# KiCad board main-board-rev1.kicad_pcb
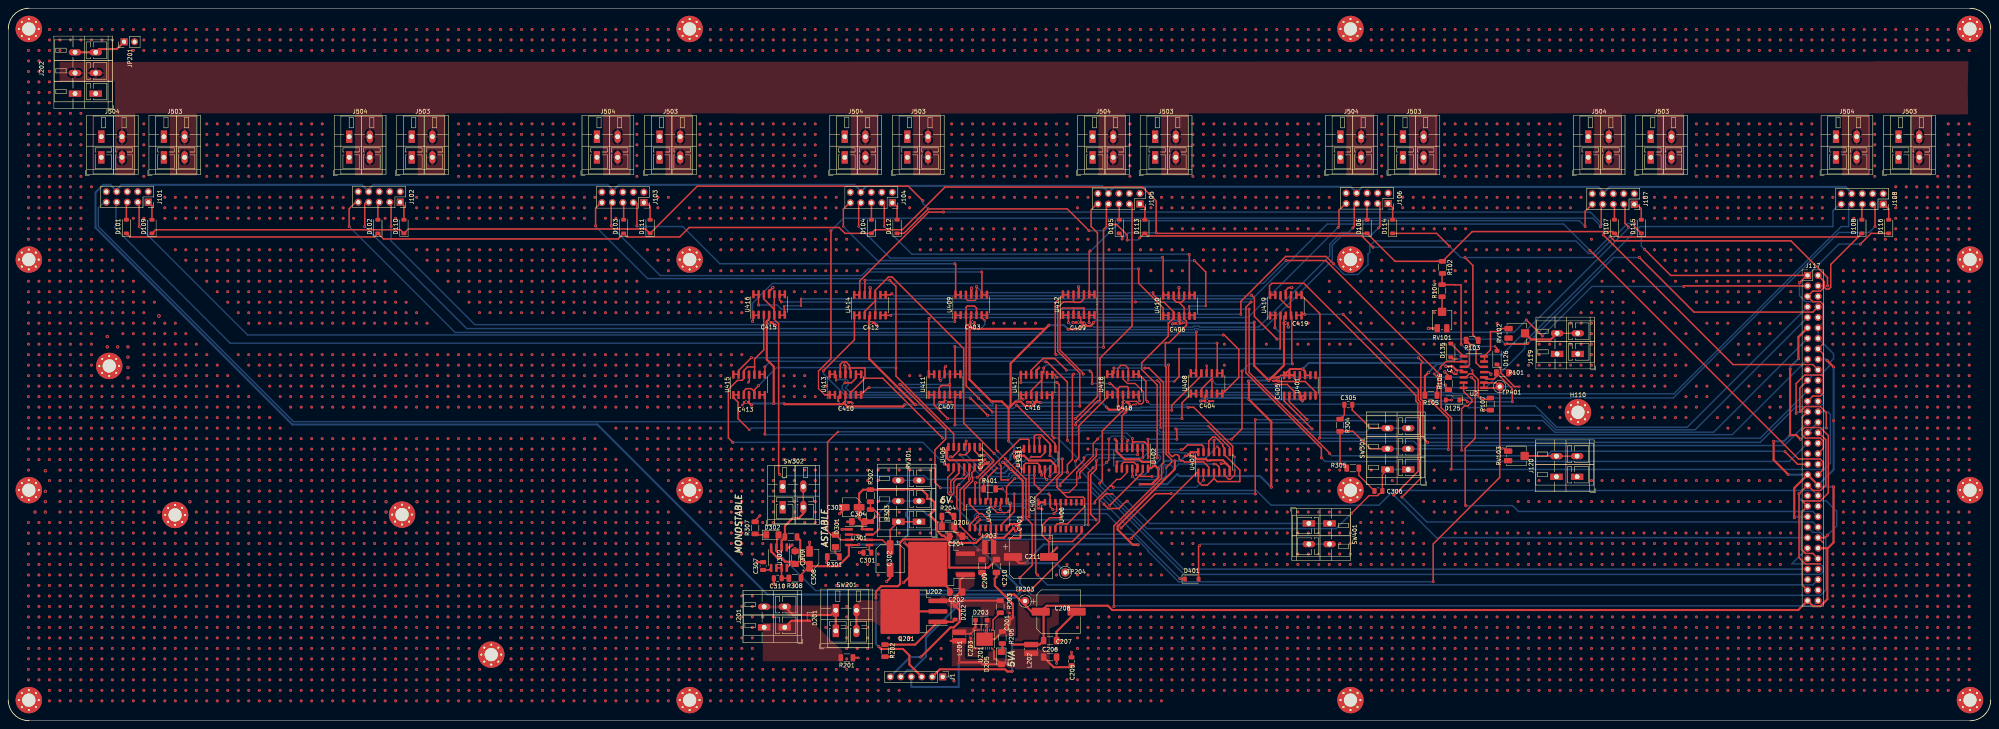
[diagram p0: board, top side]
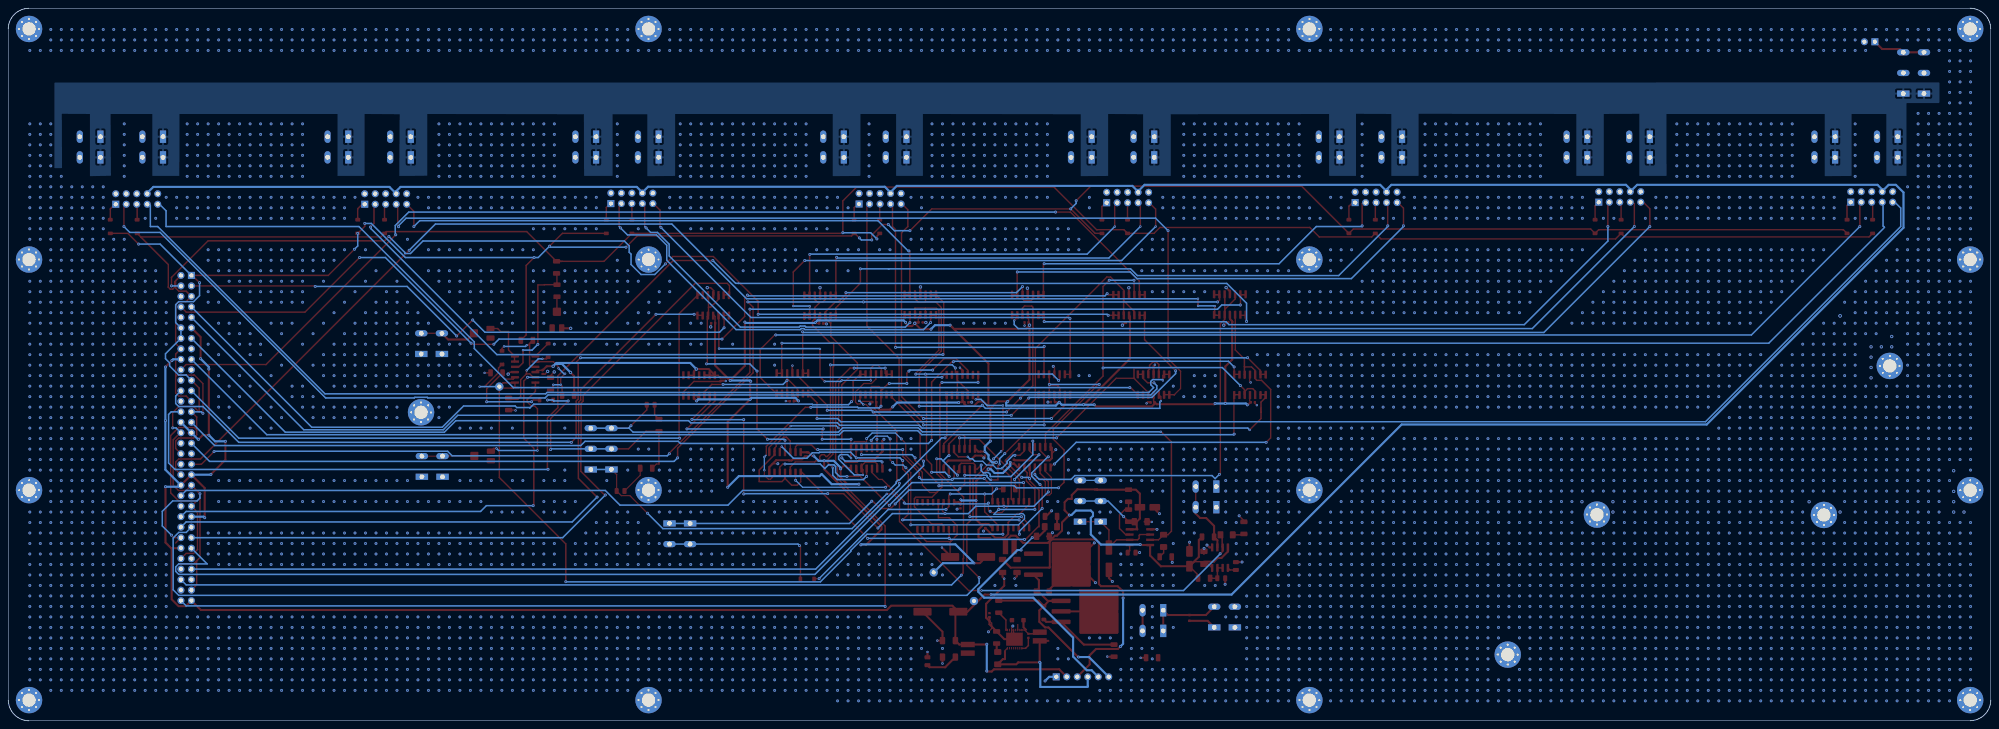
[diagram p1: board, bottom side, seen from below]

Outline 480.01 x 172.51 mm; copper layers: Top, In1.Cu (plane), In2.Cu (plane), Bottom. Coordinates in mm from the lower left corner of the outline.
Outline path: 0,5.02 0.02,167.48 arc(1.48,171.03) 5.02,172.51 474.98,172.49 arc(478.53,171.03) 480.01,167.49 479.99,5.02 arc(478.53,1.48) 474.99,0 5.02,0.02 arc(1.48,1.48) 0,5.02
Stack: Top 0.035mm / dielectric 0.2104mm FR4 er 4.5 / In1.Cu 0.0152mm / dielectric 1.065mm FR4 er 4.5 / In2.Cu 0.0152mm / dielectric 0.2104mm FR4 er 4.5 / Bottom 0.035mm

## Placement (name value [footprint] x y rotation side)
C1  0.1uF  [C_0402_1005Metric]  350.58 84.45 90 top
C201  15uF - 50V  [C_0402_1005Metric]  242.44 25.57 270 top
C202  0.33uF  [C_1206_3216Metric_Pad1.33x1.80mm_HandSolder]  229.51 31.15 180 top
C203  10nF  [C_0402_1005Metric]  233.01 20.57 90 top
C204  0.1uF  [C_1206_3216Metric_Pad1.33x1.80mm_HandSolder]  229.46 44.65 180 top
C205  68uF-16V  [C_0805_2012Metric]  257.44 14.4 90 top
C206  0.1uF  [C_1206_3216Metric_Pad1.33x1.80mm_HandSolder]  252.25 15.4 0 top
C207  0.1uF  [C_1206_3216Metric_Pad1.33x1.80mm_HandSolder]  252.25 19.4 0 top
C208  C_Polarized  [CP_Elec_10x12.6]  254.31 26.4 0 top
C209  0.1uF  [C_1206_3216Metric_Pad1.33x1.80mm_HandSolder]  235.76 37.47 270 top
C210  0.1uF  [C_1206_3216Metric_Pad1.33x1.80mm_HandSolder]  239.26 37.47 270 top
C211  C_Polarized  [CP_Elec_10x12.6]  247.61 39.65 0 top
C301  0.1uF  [C_0805_2012Metric]  208.01 40.69 0 top
C302  C_Polarized 100uF  [CP_Elec_6.3x7.7]  213.51 39.24 270 top
C303  C_Polarized-1uF  [CP_Elec_4x4.5]  204.21 51.69 180 top
C304  0.1uF  [C_1206_3216Metric_Pad1.33x1.80mm_HandSolder]  205.81 48.19 0 top
C305  0.1uF  [C_0805_2012Metric]  324.46 76.5 0 top
C306  0.1uF  [C_0805_2012Metric]  331.75 55.62 0 top
C307  0.1uF  [C_0805_2012Metric]  182.76 37.45 270 top
C308  C_Polarized-1uF  [CP_Elec_4x4.5]  194.01 39.2 90 top
C309  0.1uF  [C_1206_3216Metric_Pad1.33x1.80mm_HandSolder]  190.51 39.45 270 top
C310  2uF  [C_0805_2012Metric]  186.31 34.5 180 top
C401  0.1uF  [C_0402_1005Metric]  243.44 47.15 90 top
C402  0.1uF  [C_0402_1005Metric]  249.44 51.9 90 top
C403  0.1uF  [C_0402_1005Metric]  233.47 96.45 180 top
C404  0.1uF  [C_0402_1005Metric]  290.29 77.35 180 top
C405  0.1uF  [C_0402_1005Metric]  307.54 82.68 270 top
C406  0.1uF  [C_0402_1005Metric]  283.21 96.2 0 top
C407  0.1uF  [C_0402_1005Metric]  227.07 77.15 180 top
C408  0.1uF  [C_0402_1005Metric]  277.29 62.15 90 top
C409  0.1uF  [C_0402_1005Metric]  259.09 96.45 0 top
C410  0.1uF  [C_0402_1005Metric]  202.96 77.03 180 top
C411  0.1uF  [C_0402_1005Metric]  243.54 64.65 270 top
C412  0.1uF  [C_0402_1005Metric]  208.87 96.35 180 top
C413  0.1uF  [C_0402_1005Metric]  178.66 77.1 0 top
C414  0.1uF  [C_0402_1005Metric]  236.54 62.72 90 top
C415  0.1uF  [C_0402_1005Metric]  184.12 96.45 180 top
C416  0.1uF  [C_0402_1005Metric]  248.06 77.05 0 top
C417  0.1uF  [C_0402_1005Metric]  286.58 64.51 270 top
C418  0.1uF  [C_0402_1005Metric]  270.32 77.15 180 top
C419  0.1uF  [C_0402_1005Metric]  309.32 96.25 180 top
D101  D  [D_SOD-123]  28.6 119.65 90 top
D102  D  [D_SOD-123]  89.5 119.65 90 top
D103  D  [D_SOD-123]  149 119.65 90 top
D104  D  [D_SOD-123]  209 119.65 90 top
D105  D  [D_SOD-123]  269 119.65 90 top
D106  D  [D_SOD-123]  329 119.65 90 top
D107  D  [D_SOD-123]  388.9 119.65 90 top
D108  D  [D_SOD-123]  448.8 119.65 90 top
D109  D  [D_SOD-123]  34.8 119.65 90 top
D110  D  [D_SOD-123]  95.8 119.65 90 top
D111  D  [D_SOD-123]  155.4 119.65 90 top
D112  D  [D_SOD-123]  215.2 119.65 90 top
D113  D  [D_SOD-123]  275.2 119.65 90 top
D114  D  [D_SOD-123]  335.2 119.65 90 top
D115  D  [D_SOD-123]  395.4 119.65 90 top
D116  D  [D_SOD-123]  455.3 119.65 90 top
D125  D  [D_SOD-123]  349.71 77.65 180 top
D126  D  [D_SOD-123]  360.46 87.9 90 top
D135  D  [D_SOD-123]  349.28 89.68 90 top
D201  ESD5Zxx  [D_SOD-523]  194.01 24.89 270 top
D202  D_Zener-10V  [D_SOD-123]  229.26 26.15 270 top
D203  D_Schottky B230A  [D_SOD-123F]  235.59 24.34 0 top
D204  LED  [LED_1206_3216Metric_Pad1.42x1.75mm_HandSolder]  227.56 46.98 0 top
D205  LED  [LED_1206_3216Metric_Pad1.42x1.75mm_HandSolder]  240.44 15.15 270 top
D301  LED  [LED_1206_3216Metric_Pad1.42x1.75mm_HandSolder]  200.28 43.55 90 top
D302  LED  [LED_1206_3216Metric_Pad1.42x1.75mm_HandSolder]  185.01 45 0 top
D401  D  [D_SOD-123]  286.55 34.3 0 top
H102  MountingHole  [MountingHole_3.2mm_M3_Pad_Via]  40.39 49.83 0 top
H108  MountingHole  [MountingHole_3.2mm_M3_Pad_Via]  4.98 167.49 0 top
H108#2  MountingHole  [MountingHole_3.2mm_M3_Pad_Via]  324.98 167.49 0 top
H108#3  MountingHole  [MountingHole_3.2mm_M3_Pad_Via]  164.98 167.49 0 top
H108#4  MountingHole  [MountingHole_3.2mm_M3_Pad_Via]  324.98 111.66 0 top
H108#5  MountingHole  [MountingHole_3.2mm_M3_Pad_Via]  164.98 4.99 0 top
H108#6  MountingHole  [MountingHole_3.2mm_M3_Pad_Via]  324.98 55.83 0 top
H108#7  MountingHole  [MountingHole_3.2mm_M3_Pad_Via]  324.98 4.99 0 top
H108#8  MountingHole  [MountingHole_3.2mm_M3_Pad_Via]  474.98 4.99 0 top
H108#9  MountingHole  [MountingHole_3.2mm_M3_Pad_Via]  4.98 111.66 0 top
H108#10  MountingHole  [MountingHole_3.2mm_M3_Pad_Via]  164.98 55.83 0 top
H108#11  MountingHole  [MountingHole_3.2mm_M3_Pad_Via]  4.98 4.99 0 top
H108#12  MountingHole  [MountingHole_3.2mm_M3_Pad_Via]  474.98 55.83 0 top
H108#13  MountingHole  [MountingHole_3.2mm_M3_Pad_Via]  4.98 55.83 0 top
H108#14  MountingHole  [MountingHole_3.2mm_M3_Pad_Via]  474.98 167.49 0 top
H108#15  MountingHole  [MountingHole_3.2mm_M3_Pad_Via]  474.98 111.66 0 top
H108#16  MountingHole  [MountingHole_3.2mm_M3_Pad_Via]  164.98 111.66 0 top
H110  MountingHole  [MountingHole_3.2mm_M3_Pad_Via]  380.06 74.68 0 top
H405  MountingHole  [MountingHole_3.2mm_M3_Pad_Via]  116.95 16 0 top
H407  MountingHole  [MountingHole_3.2mm_M3_Pad_Via]  24.45 85.9 0 top
H408  MountingHole  [MountingHole_3.2mm_M3_Pad_Via]  95.35 49.9 0 top
J1  Conn_01x06_Pin  [PinHeader_1x06_P2.54mm_Vertical]  226.26 10.63 270 top
J101  Conn_01x10  [PinSocket_2x05_P2.54mm_Vertical]  33.9 125.55 270 top
J102  Conn_01x10  [PinSocket_2x05_P2.54mm_Vertical]  94.9 125.55 270 top
J103  Conn_01x10  [PinSocket_2x05_P2.54mm_Vertical]  153.9 125.45 270 top
J104  Conn_01x10  [PinSocket_2x05_P2.54mm_Vertical]  214.06 125.41 270 top
J105  Conn_01x10  [PinSocket_2x05_P2.54mm_Vertical]  274 125.11 270 top
J106  Conn_01x10  [PinSocket_2x05_P2.54mm_Vertical]  334.1 125.21 270 top
J107  Conn_01x10  [PinSocket_2x05_P2.54mm_Vertical]  393.7 125.05 270 top
J108  Conn_01x10  [PinSocket_2x05_P2.54mm_Vertical]  453.98 125.05 270 top
J117  Conn_02x32_Odd_Even  [PinHeader_2x32_P2.54mm_Vertical]  435.66 107.82 0 top
J119  AudioJack2  [TerminalBlock_WAGO_236-402_1x02_P5.00mm_45Degree]  375.01 88.8 90 top
J120  AudioJack2  [TerminalBlock_WAGO_236-402_1x02_P5.00mm_45Degree]  374.86 59.07 90 top
J201  Screw_Terminal_01x02  [TerminalBlock_WAGO_236-402_1x02_P5.00mm_45Degree]  183.01 22.6 90 top
J202  Screw_Terminal_01x03  [TerminalBlock_WAGO_236-403_1x03_P5.00mm_45Degree]  16.17 151.84 90 top
J503  Screw_Terminal_01x02  [TerminalBlock_WAGO_236-402_1x02_P5.00mm_45Degree]  277.69 141.4 0 top
J503#2  Screw_Terminal_01x02  [TerminalBlock_WAGO_236-402_1x02_P5.00mm_45Degree]  337.69 141.4 0 top
J503#3  Screw_Terminal_01x02  [TerminalBlock_WAGO_236-402_1x02_P5.00mm_45Degree]  457.69 141.4 0 top
J503#4  Screw_Terminal_01x02  [TerminalBlock_WAGO_236-402_1x02_P5.00mm_45Degree]  397.69 141.4 0 top
J503#5  Screw_Terminal_01x02  [TerminalBlock_WAGO_236-402_1x02_P5.00mm_45Degree]  37.69 141.4 0 top
J503#6  Screw_Terminal_01x02  [TerminalBlock_WAGO_236-402_1x02_P5.00mm_45Degree]  97.69 141.4 0 top
J503#7  Screw_Terminal_01x02  [TerminalBlock_WAGO_236-402_1x02_P5.00mm_45Degree]  217.69 141.4 0 top
J503#8  Screw_Terminal_01x02  [TerminalBlock_WAGO_236-402_1x02_P5.00mm_45Degree]  157.69 141.4 0 top
J504  Screw_Terminal_01x02  [TerminalBlock_WAGO_236-402_1x02_P5.00mm_45Degree]  442.54 141.4 0 top
J504#2  Screw_Terminal_01x02  [TerminalBlock_WAGO_236-402_1x02_P5.00mm_45Degree]  202.54 141.4 0 top
J504#3  Screw_Terminal_01x02  [TerminalBlock_WAGO_236-402_1x02_P5.00mm_45Degree]  322.54 141.4 0 top
J504#4  Screw_Terminal_01x02  [TerminalBlock_WAGO_236-402_1x02_P5.00mm_45Degree]  82.54 141.4 0 top
J504#5  Screw_Terminal_01x02  [TerminalBlock_WAGO_236-402_1x02_P5.00mm_45Degree]  22.54 141.4 0 top
J504#6  Screw_Terminal_01x02  [TerminalBlock_WAGO_236-402_1x02_P5.00mm_45Degree]  142.54 141.4 0 top
J504#7  Screw_Terminal_01x02  [TerminalBlock_WAGO_236-402_1x02_P5.00mm_45Degree]  262.54 141.4 0 top
J504#8  Screw_Terminal_01x02  [TerminalBlock_WAGO_236-402_1x02_P5.00mm_45Degree]  382.54 141.4 0 top
JP201  Jumper_2_Open  [PinHeader_1x02_P2.54mm_Vertical]  28.05 164.39 90 top
L201  4.7uH  [L_Wuerth_MAPI-3015]  230.26 20.39 270 top
L202  L  [L_Wuerth_MAPI-3015]  247.69 17.4 90 top
L203  L  [L_Wuerth_MAPI-3015]  237.51 42.03 0 top
Q201  IRF5305-Reverse-Polarity  [TO-263-3_TabPin2]  217.44 26.48 180 top
R101  R_US  [R_1206_3216Metric]  361.78 84.23 180 top
R102  1000K  [R_1206_3216Metric]  347.26 109.77 270 top
R103  R_US  [R_1206_3216Metric]  354.45 92.1 180 top
R104  0R  [R_1206_3216Metric]  347.16 104.12 90 top
R105  R_US  [R_1206_3216Metric]  344.46 78.8 180 top
R106  R_US  [R_1206_3216Metric]  348.71 81.62 270 top
R107  R_US  [R_1206_3216Metric]  358.86 76.68 90 top
R201  0  [R_1206_3216Metric]  203.05 15.25 180 top
R202  100K  [R_1206_3216Metric]  212.26 16.97 270 top
R203  R_US  [R_1206_3216Metric]  240.19 27.62 90 top
R204  R_US  [R_1206_3216Metric]  227.53 49.48 180 top
R205  R_US  [R_1206_3216Metric]  240.69 20.15 270 top
R301  R_US  [R_1206_3216Metric]  199.76 39.69 0 top
R302  R_US  [R_1206_3216Metric]  208.76 54.48 90 top
R303  R_US  [R_1206_3216Metric]  208.76 49.65 90 top
R304  R_US  [R_1206_3216Metric]  322.46 71.55 270 top
R305  R_US  [R_1206_3216Metric]  325.54 61.16 180 top
R306  R_US  [R_1206_3216Metric]  189.51 44.5 0 top
R307  R_US  [R_1206_3216Metric]  180.83 46.7 270 top
R308  R_US  [R_1206_3216Metric]  190.48 34.5 0 top
R401  R_US  [R_1206_3216Metric]  237.63 56.14 180 top
RV101  R_Potentiometer_US  [Potentiometer_Bourns_3314J_Vertical]  347.16 97.02 180 top
RV102  R_Potentiometer_US  [Potentiometer_Bourns_3314J_Vertical]  365.26 93.8 90 top
RV103  R_Potentiometer_US  [Potentiometer_Bourns_3314J_Vertical]  365.16 64.12 90 top
RV301  R_Potentiometer_US  [TerminalBlock_WAGO_236-403_1x03_P5.00mm_45Degree]  215.51 48.19 90 top
SW201  SW_SPST  [TerminalBlock_WAGO_236-402_1x02_P5.00mm_45Degree]  200.36 26.75 0 top
SW301  SW_SPDT  [TerminalBlock_WAGO_236-403_1x03_P5.00mm_45Degree]  333.96 60.83 90 top
SW302  SW_Push  [TerminalBlock_WAGO_236-402_1x02_P5.00mm_45Degree]  187.5 56.7 0 top
SW401  SW_SPST  [TerminalBlock_WAGO_236-402_1x02_P5.00mm_45Degree]  319.91 47.77 270 top
TP203  TestPoint  [TestPoint_Loop_D1.80mm_Drill1.0mm_Beaded]  246.19 28.98 0 top
TP204  TestPoint  [TestPoint_Loop_D1.80mm_Drill1.0mm_Beaded]  255.94 35.9 0 top
TP401  TestPoint  [TestPoint_Loop_D1.80mm_Drill1.0mm_Beaded]  361.11 80.9 0 top
U2  TL074  [SOIC-14_3.9x8.7mm_P1.27mm]  354.85 84.42 180 top
U201  LM2675-5-WSON-16  [WSON-16-1EP_5.0x5.0mm_P0.5mm_EP2.6x2.6mm]  236.09 19.75 90 top
U202  L7806  [TO-263-2]  224.14 37.9 180 top
U301  LMC555xM  [SOIC-8_3.9x4.9mm_P1.27mm]  206.01 44.44 0 top
U302  LMC555xM  [SOIC-8_3.9x4.9mm_P1.27mm]  186.61 39.48 270 top
U401  SN74HC08  [SOIC-14_3.9x8.7mm_P1.27mm]  312.73 81.18 90 top
U402  SN74HC08  [SOIC-14_3.9x8.7mm_P1.27mm]  272.15 63.53 270 top
U403  SN74HC08  [SOIC-14_3.9x8.7mm_P1.27mm]  249.74 63.35 90 top
U404  4017  [SOP-16_4.55x10.3mm_P1.27mm]  237.26 49.9 270 top
U405  SN74HC08  [SOIC-14_3.9x8.7mm_P1.27mm]  231.45 63.83 270 top
U406  4017  [SOP-16_4.55x10.3mm_P1.27mm]  255.44 49.65 90 top
U407  SN74HC08  [SOIC-14_3.9x8.7mm_P1.27mm]  291.94 62.55 90 top
U408  TL074  [SOIC-14_3.9x8.7mm_P1.27mm]  290.14 81.68 90 top
U409  TL074  [SOIC-14_3.9x8.7mm_P1.27mm]  233.15 100.68 90 top
U410  TL074  [SOIC-14_3.9x8.7mm_P1.27mm]  283.45 100.48 90 top
U411  TL074  [SOIC-14_3.9x8.7mm_P1.27mm]  226.72 81.4 90 top
U412  TL074  [SOIC-14_3.9x8.7mm_P1.27mm]  259.18 100.73 90 top
U413  TL074  [SOIC-14_3.9x8.7mm_P1.27mm]  202.7 81.38 90 top
U414  TL074  [SOIC-14_3.9x8.7mm_P1.27mm]  208.63 100.63 90 top
U415  TL074  [SOIC-14_3.9x8.7mm_P1.27mm]  179.36 81.33 90 top
U416  TL074  [SOIC-14_3.9x8.7mm_P1.27mm]  184.23 100.78 90 top
U417  TL074  [SOIC-14_3.9x8.7mm_P1.27mm]  248.98 81.28 90 top
U418  TL074  [SOIC-14_3.9x8.7mm_P1.27mm]  269.9 81.43 90 top
U419  TL074  [SOIC-14_3.9x8.7mm_P1.27mm]  309.33 100.58 90 top

## Library data of the parts
C1 C301 C305-C307 C401-C419 = -: Description: Unpolarized capacitor; Digi-Key_PN: 1276-1043-2-ND
C201 = -: Description: Unpolarized capacitor; Digi-Key_PN: 1276-1079-1-ND; Manufacturer_PN: CL31A106KQHNNNE
C202 = -: Description: Unpolarized capacitor; Digi-Key_PN: 338-2775-2-ND
C203 = -: Description: Unpolarized capacitor; Digi-Key_PN: 478-1542-1-ND; Manufacturer_PN: 12065C103KAT2A
C204 C304 C309 = -: Description: Unpolarized capacitor; Digi-Key_PN: 399-3676-2-ND
C205 = -: Description: Unpolarized capacitor; Digi-Key_PN: 1276-2728-1-ND; Manufacturer_PN: CL31A226MOCLNNC
C206 C207 C209 C210 = -: Description: Unpolarized capacitor; Digi-Key_PN: 1276-1017-1-ND; Manufacturer_PN: CL31B104KBCNNNC
C208 C211 = -: Description: Polarized capacitor; Digi-Key_PN: 399-A781MS567M1ELAV022TR-ND
C302 = -: Description: Polarized capacitor; Digi-Key_PN: 399-13672-2-ND
C303 C308 = -: Description: Polarized capacitor; Digi-Key_PN: P16465TR-ND
C310 = -: Description: Unpolarized capacitor; Digi-Key_PN: 1189-4361-2-ND
D101-D116 D125 D126 D135 D401 = -: Description: Diode; Digi-Key_PN: 1655-1N4148WTR-ND; Sim.Pins: 1=K 2=A
D201 = -: Description: ESD Protection Diode, SOD-523; Digi-Key_PN: 3372-ESD5Z7V0TR-ND
D202 = -: Description: Schottky diode; Digi-Key_PN: BZT52C10-TPMSCT-ND; Manufacturer_PN: BZT52C10-TP
D203 = -: Description: Schottky diode; Digi-Key_PN: B230AF-13DICT-ND; Manufacturer_PN: B230AF-13
D204 D205 = -: Description: Light emitting diode; Digi-Key_PN: 160-1406-1-ND; Manufacturer_PN: LTST-C150KSKT
D301 D302 = -: Description: Light emitting diode; Digi-Key_PN: 67-1684-2-ND
H102 H108 H108#2-H108#16 H110 H405 H407 H408 = -: Description: Mounting Hole without connection
J1 = -: Description: Generic connector, single row, 01x06, script generated
J101-J108 = -: Description: Generic connector, single row, 01x10, script generated (kicad-library-utils/schlib/autogen/connector/); Digi-Key_PN: ED1543-ND
J117 = -: Description: Generic connector, double row, 02x32, odd/even pin numbering scheme (row 1 odd numbers, row 2 even numbers), script generated (kicad-library-utils/schlib/autogen/connector/); Digi-Key_PN: SAM9613-ND
J119 J120 = -: Description: Audio Jack, 2 Poles (Mono / TS); Digi-Key_PN: 2946-236-401-ND
J201 = -: Description: Generic screw terminal, single row, 01x02, script generated (kicad-library-utils/schlib/autogen/connector/); Digi-Key_PN: 2946-236-401-ND
J202 = -: Description: Generic screw terminal, single row, 01x03, script generated (kicad-library-utils/schlib/autogen/connector/); Digi-Key_PN: 2946-236-401-ND
J503 J503#2-J503#8 J504 J504#2-J504#8 = -: Description: Generic screw terminal, single row, 01x02, script generated (kicad-library-utils/schlib/autogen/connector/); Channel: 0; Digi-Key_PN: 2946-236-401-ND
JP201 = -: Description: Jumper, 2-pole, open
L201 = -: Description: Inductor; Digi-Key_PN: 445-2026-1-ND; Manufacturer_PN: SLF7045T-4R7M2R0-PF
L202 L203 = -: Description: Inductor; Digi-Key_PN: 308-0640CDMCCDS-R15MCCT-ND; Manufacturer_PN: 0640CDMCCDS-R15MC
Q201 = -: Digi-Key_PN: IRF5305STRLPBFCT-ND; Manufacturer_PN: IRF5305STRLPBF
R101 R103 R105-R107 R203-R205 R301-R308 R401 = -: Description: Resistor, US symbol; Digi-Key_PN: RMCF1206JT2K20TR-ND
R102 = -: Description: Resistor, US symbol; Digi-Key_PN: RMCF1206FT1K00TR-ND
R104 = -: Description: Resistor, US symbol; Digi-Key_PN: RMCF1206ZT0R00TR-ND
R201 = -: Description: Resistor; Digi-Key_PN: RMCF1206ZT0R00CT-ND; Manufacturer_PN: RMCF1206ZT0R00
R202 = -: Description: Resistor; Digi-Key_PN: 311-100KERCT-ND; Manufacturer_PN: RC1206JR-07100KL
RV101-RV103 = -: Description: Potentiometer, US symbol; Digi-Key_PN: 3314J-503ETR-ND
RV301 = -: Description: Potentiometer, US symbol; Digi-Key_PN: 2946-236-401-ND
SW201 SW401 = -: Description: Single Pole Single Throw (SPST) switch; Digi-Key_PN: 2946-236-401-ND
SW301 = -: Description: Switch, single pole double throw; Digi-Key_PN: 2946-236-401-ND
SW302 = -: Description: Push button switch, generic, two pins; Digi-Key_PN: 2946-236-401-ND
TP203 TP204 TP401 = -: Description: test point
U2 U408-U419 = -: Description: Quad Low-Noise JFET-Input Operational Amplifiers, DIP-14/SOIC-14
U201 = -: Description: 5V, 1A Step-Down Voltage Regulator, SO-8
U202 = -: Description: Positive 1.5A 35V Linear Regulator, Fixed Output 6V, TO-220/TO-263/TO-252
U301 U302 = -: Description: CMOS Timer, 555 compatible, SOIC-8
U401-U403 U405 U407 = -: Description: Quad And 2 inputs
U404 U406 = -: Description: Johnson Counter ( 10 outputs )

## Footprints (pads in the part's own frame, mm; a bottom-side part is the same pattern mirrored in y, then rotated)
C_0402_1005Metric
  rrect 0.56x0.62 smd: 1(-0.48,0) 2(0.48,0)
C_0805_2012Metric
  rrect 1x1.45 smd: 1(-0.95,0) 2(0.95,0)
C_1206_3216Metric_Pad1.33x1.80mm_HandSolder
  rrect 1.325x1.8 smd: 1(-1.562,0) 2(1.562,0)
CP_Elec_4x4.5
  rrect 2.6x1.6 smd: 1(-1.8,0) 2(1.8,0)
CP_Elec_6.3x7.7
  rrect 3.5x1.6 smd: 1(-2.7,0) 2(2.7,0)
CP_Elec_10x12.6
  rrect 4.4x1.9 smd: 1(-4.35,0) 2(4.35,0)
D_SOD-123
  rrect 0.9x1.2 smd: 1(-1.65,0) 2(1.65,0)
D_SOD-123F
  rrect 1.1x1.1 smd: 1(-1.4,0) 2(1.4,0)
D_SOD-523
  rrect 0.6x0.7 smd: 1(-0.7,0) 2(0.7,0)
L_Wuerth_MAPI-3015
  rect 1.3x3.4 smd: 1(-1.05,0) 2(1.05,0)
LED_1206_3216Metric_Pad1.42x1.75mm_HandSolder
  rrect 1.425x1.75 smd: 1(-1.488,0) 2(1.488,0)
MountingHole_3.2mm_M3_Pad_Via
  round 0.8 hole 0.5: 1(-2.4,0) 1(-1.697,1.697) 1(-1.697,-1.697) 1(0,2.4) 1(0,-2.4) 1(1.697,1.697) 1(1.697,-1.697) 1(2.4,0)
  round 6.4 hole 3.2: 1(0,0)
PinHeader_1x02_P2.54mm_Vertical
  rect 1.7x1.7 hole 1: 1(0,0)
  oval 1.7x1.7 hole 1: 2(0,-2.54)
PinHeader_1x06_P2.54mm_Vertical
  rect 1.7x1.7 hole 1: 1(0,0)
  oval 1.7x1.7 hole 1: 2(0,-2.54) 3(0,-5.08) 4(0,-7.62) 5(0,-10.16) 6(0,-12.7)
PinHeader_2x32_P2.54mm_Vertical
  rect 1.7x1.7 hole 1: 1(0,0)
  oval 1.7x1.7 hole 1: 2(2.54,0) 3(0,-2.54) 4(2.54,-2.54) 5(0,-5.08) 6(2.54,-5.08) 7(0,-7.62) 8(2.54,-7.62) 9(0,-10.16) 10(2.54,-10.16) 11(0,-12.7) 12(2.54,-12.7) 13(0,-15.24) 14(2.54,-15.24) 15(0,-17.78) 16(2.54,-17.78) 17(0,-20.32) 18(2.54,-20.32) 19(0,-22.86) 20(2.54,-22.86) 21(0,-25.4) 22(2.54,-25.4) 23(0,-27.94) 24(2.54,-27.94) 25(0,-30.48) 26(2.54,-30.48) 27(0,-33.02) 28(2.54,-33.02) 29(0,-35.56) 30(2.54,-35.56) 31(0,-38.1) 32(2.54,-38.1) 33(0,-40.64) 34(2.54,-40.64) 35(0,-43.18) 36(2.54,-43.18) 37(0,-45.72) 38(2.54,-45.72) 39(0,-48.26) 40(2.54,-48.26) 41(0,-50.8) 42(2.54,-50.8) 43(0,-53.34) 44(2.54,-53.34) 45(0,-55.88) 46(2.54,-55.88) 47(0,-58.42) 48(2.54,-58.42) 49(0,-60.96) 50(2.54,-60.96) 51(0,-63.5) 52(2.54,-63.5) 53(0,-66.04) 54(2.54,-66.04) 55(0,-68.58) 56(2.54,-68.58) 57(0,-71.12) 58(2.54,-71.12) 59(0,-73.66) 60(2.54,-73.66) 61(0,-76.2) 62(2.54,-76.2) 63(0,-78.74) 64(2.54,-78.74)
PinSocket_2x05_P2.54mm_Vertical
  rect 1.7x1.7 hole 1: 1(0,0)
  oval 1.7x1.7 hole 1: 2(-2.54,0) 3(0,-2.54) 4(-2.54,-2.54) 5(0,-5.08) 6(-2.54,-5.08) 7(0,-7.62) 8(-2.54,-7.62) 9(0,-10.16) 10(-2.54,-10.16)
Potentiometer_Bourns_3314J_Vertical
  rrect 1.3x2 smd: 1(-1.15,2) 3(1.15,2)
  rrect 2x2 smd: 2(0,-2)
R_1206_3216Metric
  rrect 1.125x1.75 smd: 1(-1.462,0) 2(1.462,0)
SOIC-8_3.9x4.9mm_P1.27mm
  rrect 1.95x0.6 smd: 1(-2.475,1.905) 2(-2.475,0.635) 3(-2.475,-0.635) 4(-2.475,-1.905) 5(2.475,-1.905) 6(2.475,-0.635) 7(2.475,0.635) 8(2.475,1.905)
SOIC-14_3.9x8.7mm_P1.27mm
  rrect 1.95x0.6 smd: 1(-2.475,3.81) 2(-2.475,2.54) 3(-2.475,1.27) 4(-2.475,0) 5(-2.475,-1.27) 6(-2.475,-2.54) 7(-2.475,-3.81) 8(2.475,-3.81) 9(2.475,-2.54) 10(2.475,-1.27) 11(2.475,0) 12(2.475,1.27) 13(2.475,2.54) 14(2.475,3.81)
SOP-16_4.55x10.3mm_P1.27mm
  rrect 1.6x0.6 smd: 1(-3.25,4.445) 2(-3.25,3.175) 3(-3.25,1.905) 4(-3.25,0.635) 5(-3.25,-0.635) 6(-3.25,-1.905) 7(-3.25,-3.175) 8(-3.25,-4.445) 9(3.25,-4.445) 10(3.25,-3.175) 11(3.25,-1.905) 12(3.25,-0.635) 13(3.25,0.635) 14(3.25,1.905) 15(3.25,3.175) 16(3.25,4.445)
TerminalBlock_WAGO_236-402_1x02_P5.00mm_45Degree
  rect 1.5x3 hole 1.15: 1(0,0) 1(0,-5)
  oval 1.5x3 hole 1.15: 2(5,0) 2(5,-5)
TerminalBlock_WAGO_236-403_1x03_P5.00mm_45Degree
  rect 1.5x3 hole 1.15: 1(0,0) 1(0,-5)
  oval 1.5x3 hole 1.15: 2(5,0) 2(5,-5) 3(10,0) 3(10,-5)
TestPoint_Loop_D1.80mm_Drill1.0mm_Beaded
  round 2 hole 1: 1(0,0)
TO-263-2
  rrect 4.6x1.1 smd: 1(-7.65,2.54) 3(-7.65,-2.54)
  rrect 4.55x5.25 smd: 2(-0.925,2.775) 2(-0.925,-2.775) 2(3.925,2.775) 2(3.925,-2.775)
  rrect 9.4x10.8 smd: 2(1.5,0)
TO-263-3_TabPin2
  rrect 4.6x1.1 smd: 1(-7.65,2.54) 2(-7.65,0) 3(-7.65,-2.54)
  rrect 4.55x5.25 smd: 2(-0.925,2.775) 2(-0.925,-2.775) 2(3.925,2.775) 2(3.925,-2.775)
  rrect 9.4x10.8 smd: 2(1.5,0)
WSON-16-1EP_5.0x5.0mm_P0.5mm_EP2.6x2.6mm
  rect 1.05x1.05 smd: (-0.8,-0.8) (-0.65,0.65) (0.65,0.65) (0.65,-0.65)
  rect 0.6x0.25 smd: 1(-2.2,1.5) 2(-2.2,1) 3(-2.2,0.5) 4(-2.2,0) 5(-2.2,-0.5) 6(-2.2,-1) 7(-2.2,-1.5) 8(-2.2,-2) 9(2.2,-2) 10(2.2,-1.5) 11(2.2,-1) 12(2.2,-0.5) 13(2.2,0) 14(2.2,0.5) 15(2.2,1) 16(2.2,1.5)
  rect 3.2x4 smd: DAP(0,-0.3)

## Nets
+5VA: C207.1 C208.1 J1.2 J101.8 J102.8 J103.8 J104.8 J105.8 J106.8 J107.8 J108.8 J117.11 J117.18 J117.30 J117.31 J117.39 J117.42 J117.47 J117.54 J117.63 L202.2 TP203.1
+6V: C1.2 C210.1 C211.1 C303.1 C304.2 C308.1 C309.2 C401.2 C402.2 C403.2 C404.2 C405.1 C406.2 C407.2 C408.1 C409.2 C410.2 C411.1 C412.2 C413.2 C414.1 C415.2 C416.2 C417.1 C418.2 C419.2 J1.3 L203.2 R105.2 R302.2 R306.2 R308.2 TP204.1 U2.11 U301.4 U301.8 U302.4 U302.8 U401.4 U401.5 U401.9 U401.10 U401.12 U401.13 U401.14 U402.14 U403.14 U404.16 U405.14 U406.16 U407.14 U408.4 U409.4 U410.4 U411.4 U412.4 U413.4 U414.4 U415.4 U416.4 U417.4 U418.4 U419.4
+12V: C201.1 C202.1 D202.1 J1.6 Q201.3 R203.2 U201.14 U202.1
/Power Supply/5VA Unfiltered: C205.1 C206.1 D205.2 J1.4 L201.2 L202.1 U201.8
GND: C1.1 C201.2 C202.2 C204.2 C205.2 C206.2 C207.2 C208.2 C209.2 C210.2 C211.2 C301.1 C302.2 C303.2 C304.1 C307.1 C308.2 C309.1 C310.2 C401.1 C402.1 C403.1 C404.1 C405.2 C406.1 C407.1 C408.2 C409.1 C410.1 C411.2 C412.1 C413.1 C414.2 C415.1 C416.1 C417.2 C418.1 C419.1 D203.2 J1.1 J101.2 J101.4 J101.6 J101.10 J102.2 J102.4 J102.6 J102.10 J103.2 J103.4 J103.6 J103.10 J104.2 J104.4 J104.6 J104.10 J105.2 J105.4 J105.6 J105.10 J106.2 J106.4 J106.6 J106.10 J107.2 J107.4 J107.6 J107.10 J108.2 J108.4 J108.6 J108.10 J117.6 J117.10 J117.15 J117.19 J117.22 J117.26 J117.34 J117.35 J117.38 J117.43 J117.46 J117.55 J117.58 J117.59 J117.62 J119.1 J120.1 JP201.2 R101.1 R106.1 R107.1 R201.1 R202.2 R204.1 R205.1 R301.1 R307.1 RV101.3 SW302.1 U2.4 U201.11 U201.12 U201.DAP U202.2 U301.1 U302.1 U401.7 U402.7 U403.7 U404.8 U404.13 U405.7 U406.8 U406.13 U407.7 U408.11 U409.11 U410.11 U411.11 U412.11 U413.11 U414.11 U415.11 U416.11 U417.11 U418.11 U419.11
*CV_8: J117.9 U414.1 U414.2
*CV_9: J117.20 U414.13 U414.14
*CV_10: J117.29 U415.8 U415.9
*CV_11: J117.40 U416.6 U416.7
*CV_12: J117.49 U417.1 U417.2
*CV_13: J117.60 U417.13 U417.14
*CV_14: J117.7 U418.8 U418.9
*CV_15: J117.50 U419.6 U419.7
*GATE_8: J117.4 U414.6 U414.7
*GATE_9: J117.13 U415.1 U415.2
*GATE_10: J117.24 U415.13 U415.14
*GATE_11: J117.33 U416.8 U416.9
*GATE_12: J117.44 U417.6 U417.7
*GATE_13: J117.53 U418.1 U418.2
*GATE_14: J117.64 U418.13 U418.14
*GATE_15: J117.23 U419.8 U419.9
*RELAYS_8: J117.8 U414.8 U414.9
*RELAYS_9: J117.17 U415.6 U415.7
*RELAYS_10: J117.28 U416.1 U416.2
*RELAYS_11: J117.37 U416.13 U416.14
*RELAYS_12: J117.48 U417.8 U417.9
*RELAYS_13: J117.57 U418.6 U418.7
*RELAYS_14: J117.3 U419.1 U419.2
*RELAYS_15: J117.51 U419.13 U419.14
/CascadeCounters-CommonOutputs/EIGHT: U403.2 U404.9
/CascadeCounters-CommonOutputs/FIVE: U403.5 U404.1 U407.13
/CascadeCounters-CommonOutputs/FOUR: U402.2 U404.10 U407.10
/CascadeCounters-CommonOutputs/NINE: U404.11 U405.5
/CascadeCounters-CommonOutputs/ONE: U402.5 U404.2 U405.13
/CascadeCounters-CommonOutputs/RESET_COUNTERS: D401.1 R401.1 U404.15 U406.15
/CascadeCounters-CommonOutputs/SEVEN: U403.13 U404.6
/CascadeCounters-CommonOutputs/SIX: U403.10 U404.5 U405.2
/CascadeCounters-CommonOutputs/TENS: U405.1 U405.9 U405.12 U406.2 U407.1 U407.4 U407.9 U407.12
/CascadeCounters-CommonOutputs/THREE: U402.13 U404.7 U407.5
/CascadeCounters-CommonOutputs/TWO: U402.10 U404.4 U407.2
/CascadeCounters-CommonOutputs/ZERO: U401.2 U404.3 U405.10 U406.14
/CascadeCounters-CommonOutputs/ZEROES: U401.1 U402.1 U402.4 U402.9 U402.12 U403.1 U403.4 U403.9 U403.12 U405.4 U406.3
/CV_OP-AMP_NON-INV: R102.2 R104.2 U2.5
/CV_OP-AMP_OUT: RV102.3 U2.6 U2.7
/Power Supply/LDO_LED_K: D204.1 R204.2
/Power Supply/POL-FET-D: Q201.2 SW201.2
/Power Supply/POL-FET-G: D202.2 Q201.1 R202.1
/Power Supply/PowerIn+: D201.1 J201.2 SW201.1
/Power Supply/PowerIn-: D201.2 J201.1 R201.2
/Power Supply/SW-REG_CB: C203.1 U201.1
/Power Supply/SW-REG_LED_K: D205.1 R205.2
/Power Supply/SW-REG_ON: R203.1 U201.9
/Power Supply/SW_REG_L: C203.2 D203.1 L201.1 U201.15 U201.16
/Power Supply/Unfiltered-6V: C204.1 C209.1 D204.2 J1.5 L203.1 U202.3
/Timers/555-R-POT: R303.1 RV301.2
/Timers/555_2-6: C302.1 RV301.1 U301.2 U301.6
/Timers/555_5: C301.2 U301.5
/Timers/555_DIS: R302.1 R303.2 U301.7
/Timers/555_LED-K: D301.1 R301.2
/Timers/555M_5: C307.2 U302.5
/Timers/555M_DIS: C310.1 R308.1 U302.6 U302.7
/Timers/555M_LED-K: D302.1 R307.2
/Timers/ASTABLE_CLOCK_SWITCH: C305.2 D301.2 SW301.3 U301.3
/Timers/MONOSTABLE_CLOCK_SWITCH: C306.2 D302.2 SW301.1 U302.3
CHAN_0: U401.3 U408.3 U408.5 U408.10
CHAN_1: U402.6 U408.12 U409.3 U409.5
CHAN_2: U402.8 U409.10 U409.12 U410.3
CHAN_3: U402.11 U410.5 U410.10 U410.12
CHAN_4: U402.3 U411.3 U411.5 U411.10
CHAN_5: U403.6 U411.12 U412.3 U412.5
CHAN_6: U403.8 U412.10 U412.12 U413.3
CHAN_7: U403.11 U413.5 U413.10 U413.12
CHAN_8: SW401.1 U403.3 U414.3 U414.5 U414.10
CHAN_9: U405.6 U414.12 U415.3 U415.5
CHAN_10: U405.8 U415.10 U415.12 U416.3
CHAN_11: U405.11 U416.5 U416.10 U416.12
CHAN_12: U407.3 U417.3 U417.5 U417.10
CHAN_13: U407.6 U417.12 U418.3 U418.5
CHAN_14: U407.8 U418.10 U418.12 U419.3
CHAN_15: U407.11 U419.5 U419.10 U419.12
CLK: D126.1 TP401.1 U2.1 U2.2 U404.14
CLOCK: D125.2 R304.2 R305.2 SW301.2
CV_0: J101.9 U408.1 U408.2
CV_1: J102.9 U408.13 U408.14
CV_2: J103.9 U409.8 U409.9
CV_3: J104.9 U410.6 U410.7
CV_4: J105.9 U411.1 U411.2
CV_5: J106.9 U411.13 U411.14
CV_6: J107.9 U412.8 U412.9
CV_7: J108.9 U413.6 U413.7
CV_CommonChannelOutput: D101.1 D102.1 D103.1 D104.1 D105.1 D106.1 D107.1 D108.1 J117.2 J117.5 J117.16 J117.25 J117.27 J117.36 J117.45 J117.56 R102.1
CV_OUT: J119.2 RV102.2
CV_OUTPUT_0: D101.2 J101.5
CV_OUTPUT_1: D102.2 J102.5
CV_OUTPUT_2: D103.2 J103.5
CV_OUTPUT_3: D104.2 J104.5
CV_OUTPUT_4: D105.2 J105.5
CV_OUTPUT_5: D106.2 J106.5
CV_OUTPUT_6: D107.2 J107.5
CV_OUTPUT_7: D108.2 J108.5
Earth_Protective: J202.3 JP201.1
GATE: J120.2 RV103.2
GATE_0: J101.3 U408.6 U408.7
GATE_1: J102.3 U409.1 U409.2
GATE_2: J103.3 U409.13 U409.14
GATE_3: J104.3 U410.8 U410.9
GATE_4: J105.3 U411.6 U411.7
GATE_5: J106.3 U412.1 U412.2
GATE_6: J107.3 U412.13 U412.14
GATE_7: J108.3 U413.8 U413.9
GATE_CommonChannelOutput: D109.1 D110.1 D111.1 D112.1 D113.1 D114.1 D115.1 D116.1 J117.1 J117.12 J117.14 J117.21 J117.32 J117.41 J117.52 J117.61 R103.1
GATE_OUTPUT_0: D109.2 J101.1
GATE_OUTPUT_1: D110.2 J102.1
GATE_OUTPUT_2: D111.2 J103.1
GATE_OUTPUT_3: D112.2 J104.1
GATE_OUTPUT_4: D113.2 J105.1
GATE_OUTPUT_5: D114.2 J106.1
GATE_OUTPUT_6: D115.2 J107.1
GATE_OUTPUT_7: D116.2 J108.1
LINE: J202.2 J503.2 J503#2.2 J503#3.2 J503#4.2 J503#5.2 J503#6.2 J503#7.2 J503#8.2 J504.2 J504#2.2 J504#3.2 J504#4.2 J504#5.2 J504#6.2 J504#7.2 J504#8.2
NEUT: J202.1 J503.1 J503#2.1 J503#3.1 J503#4.1 J503#5.1 J503#6.1 J503#7.1 J503#8.1 J504.1 J504#2.1 J504#3.1 J504#4.1 J504#5.1 J504#6.1 J504#7.1 J504#8.1
RELAYS_0: J101.7 U408.8 U408.9
RELAYS_1: J102.7 U409.6 U409.7
RELAYS_2: J103.7 U410.1 U410.2
RELAYS_3: J104.7 U410.13 U410.14
RELAYS_4: J105.7 U411.8 U411.9
RELAYS_5: J106.7 U412.6 U412.7
RELAYS_6: J107.7 U413.1 U413.2
RELAYS_7: J108.7 U413.13 U413.14
Net-(C305-Pad1): C305.1 R304.1
Net-(C306-Pad1): C306.1 R305.1
Net-(D125-K): D125.1 R101.2 U2.3
Net-(D126-A): D126.2 R103.2 U2.10
Net-(D135-A): D135.2 U2.8
Net-(D135-K): D135.1 R107.2 U2.12
Net-(D401-A): D401.2 SW401.2
Net-(R104-Pad1): R104.1 RV101.2
Net-(R401-Pad2): R401.2 U405.3
Net-(U2C--): R105.1 R106.2 U2.9
Net-(U2D--): RV103.3 U2.13 U2.14
Net-(U302-TR): R306.1 SW302.2 U302.2

Pads without a net: H102 1; H108 1; H108#2 1; H108#3 1; H108#4 1; H108#5 1; H108#6 1; H108#7 1; H108#8 1; H108#9 1; H108#10 1; H108#11 1; H108#12 1; H108#13 1; H108#14 1; H108#15 1; H108#16 1; H110 1; H405 1; H407 1; H408 1; RV101 1; RV102 1; RV103 1; RV301 3; U201 2 3 4 5 6 7 10 13; U401 6 8 11; U404 12; U406 1 4 5 6 7 9 10 11 12

## Via types
v1: diameter 0.7, hole 0.25, Top to Bottom, 6376 vias
v2: diameter 0.8, hole 0.4, Top to Bottom, 40 vias
v3: diameter 0.55, hole 0.25, Top to Bottom, 76 vias
v4: diameter 0.7, hole 0.3, Top to Bottom, 321 vias

## Routing (per net, layer and track width the routed paths; a pad name or vN(x,y) marks a point on that pad's centre or on a via; arc(x,y) is an arc through that point)
+5VA: length 1090.3
  Top w0.5: v4(433.44,87.65) 433.44,92.9 J117.11 ; v4(432.44,49.15) 432.44,56.34 J117.39 J117.42 ; v4(430.94,59.65) 427.44,63.15 v4(427.44,67.65) ; 440.44,41.65 440.44,29.42 438.76,27.74 437,27.74 J117.63 433.38,26.8 267.29,26.8 266.24,27.85 251.41,27.85 C208.1 ; 440.44,41.65 441.94,43.15 v4(441.94,56.65) ; 440.44,41.65 440.31,41.78 J117.54 ; J117.18 438.2,87.39 438.44,87.15 ; C208.1 250.69,25.68 C207.1 249.74,18.45 L202.2 243.15,18.45 v4(243.08,18.53) ; C208.1 247.76,26.4 243.61,30.55 v3(242.09,30.55) ; v4(441.94,85.65) v4(440.39,87.2) ; J117.31 435.73,69.65 436.44,69.65 ; v4(433.94,68.15) 432.94,69.15 v4(431.44,69.15) v4(431.44,85.15) ; J1.2 225.55,12.46 241.35,12.46 241.88,11.93 242.98,11.93 v4(243.08,12.03)
  Bottom w0.5: v4(430.94,59.65) 431.03,59.56 J117.39 ; v4(432.44,49.15) 432.69,49.4 J117.47 ; J117.18 440.09,87.5 v4(440.39,87.2) ; v4(243.08,18.53) v4(243.08,12.03) ; v4(433.44,87.65) 431.44,85.65 v4(431.44,85.15) ; J117.30 J117.31 434.09,68.15 v4(433.94,68.15) ; v3(242.09,30.55) 183.81,30.55 142.63,71.73 68.77,71.73 21.12,119.38 21.12,127.91 22.97,129.75 24.72,129.75 26.07,128.4 27.41,129.75 85.63,129.75 86.98,128.4 88.32,129.75 145.13,129.75 146.48,128.4 147.82,129.75 204.88,129.75 206.48,128.15 207.82,129.5 264.87,129.5 266.43,127.94 267.77,129.29 325.09,129.29 326.48,127.9 327.82,129.25 385.02,129.25 386.37,127.9 387.71,129.25 444.88,129.25 446.23,127.9 ; v4(427.44,67.65) 429.94,67.65 v4(431.44,69.15) ; v4(441.94,85.65) 441.96,85.63 v4(441.96,72.65) 441.96,60.79 J117.42 438.57,56.65 v4(441.94,56.65)
+6V: length 841.1
  Top w0.3: 179.17,77.18 179.44,77.45 179.44,78.93 ; 233.19,98.18 232.94,97.93 232.94,96.38 ; 259.69,96.4 259.69,97.68 259.19,98.18
  Top w0.349: 313.96,83.63 315.23,83.63 ; 310.15,83.63 311.42,83.63 ; 289.77,77.38 289.77,78.76 290.19,79.18 ; v3(284.58,96.43) 284.35,96.2 C406.2 ; 350.68,84.87 351.98,84.87 352.48,84.37 ; 308.88,83.63 308.15,83.63 307.63,83.11 ; 202.69,78.93 202.69,77.38 202.44,77.13 ; U302.8 190.01,38.5 192.91,38.5 C308.1 191.94,35.33 R308.2 ; 308.88,96.38 308.88,97.87 309.19,98.18 ; 269.85,77.18 269.94,77.27 269.94,78.93 ; 312.69,78.68 313.96,78.68 ; 226.44,77.15 226.69,77.4 226.69,78.93 ; C401.2 243.13,47.63
  Top w0.5: v4(187.81,76.8) 187.99,76.63 201.94,76.63 202.34,77.03 C410.2 202.48,76.72 203.12,76.08 216.64,76.08 v4(217.06,76.5) ; 269.85,77.18 269.85,76.11 269.04,75.3 266.54,75.3 v4(265.86,75.98) ; v4(305.21,82.38) 308.88,86.05 308.88,96.38 ; v4(305.21,82.38) 301.66,85.93 v4(301.66,96.53) ; v4(305.21,82.38) 305.94,83.11 307.63,83.11 ; v4(256.59,94.8) 259.09,94.8 v2(260.51,96.23) ; v4(249.89,77.03) 249.79,77.13 248.5,77.13 248.5,76.82 ; v4(300.24,82.2) 300.39,82.05 v4(300.39,77.8) 305.81,72.38 v4(305.81,56.53) ; U417.4 248.98,77.49 C416.2 248.54,76.74 248.02,76.23 246.16,76.23 245.14,77.25 243.82,77.25 242.68,76.11 ; v4(205.94,42.65) 205.82,42.54 U301.4 203.54,40.01 200.94,37.4 C308.1 191.74,39.68 191.74,43.74 R306.2 ; 245.88,65.88 245.14,65.14 244.63,65.14 244.59,65.18 243.54,65.18 ; 242.21,75.65 240.53,77.33 v4(238.01,77.33) 232.74,82.6 v2(232.74,95.78) ; 242.21,75.65 242.68,76.11 ; 242.21,75.65 v4(242.21,67.71) ; v4(225.54,77.1) 226.39,77.1 226.44,77.15 ; 242.71,60.83 242.88,60.83 245.64,58.07 v3(245.64,53.33) 245.64,48.7 244.57,47.63 C401.2 ; 242.71,60.83 240.97,62.57 v2(240.81,62.57) ; 242.71,60.83 v2(242.71,60.92) ; U404.16 242.69,47.63 C401.2 ; C210.1 237.3,37.06 227.9,37.06 227.83,37.13 227.83,43.36 227.29,43.91 216.69,43.91 215.93,43.15 215.93,33.08 215.44,32.58 211.39,32.58 210.08,31.27 v4(210.08,29.71) ; 216.28,55.94 R302.2 206.98,55.94 206.01,54.98 C303.1 206.01,48.94 206.76,48.19 206.76,46.5 206.64,46.38 206.67,46.35 U301.8 ; 216.28,55.94 216.36,56.03 221.12,56.03 222.51,54.63 222.51,53.71 223.43,53.71 224.25,52.9 224.25,50.97 v4(223.08,49.8) 224.86,48.02 224.86,46.04 226.1,44.8 226.58,44.8 228.33,43.05 234.29,43.05 236.04,44.8 237.23,44.8 238.56,43.47 L203.2 ; 216.28,55.94 216.94,55.94 ; v2(343.88,84.33) 343,83.45 R105.2 ; 289.77,77.38 289.72,77.43 v4(288.66,77.43) ; 235.25,61.43 235.66,61.43 236.48,62.24 237.04,62.24 v3(237.4,62.6) 237.1,62.3 237.1,62.27 ; v4(185.34,76.8) 185.34,85.75 183.67,87.42 183.67,96.74 184.19,97.26 184.19,98.18 ; v4(284.98,64.11) 285.39,64.11 286.27,64.99 C417.1 288.09,64.99 U407.14 ; J1.3 218.18,13.63 218.18,15.83 216.63,17.37 211.33,17.37 v4(210.74,17.96) ; v2(348.08,85.83) 349.64,85.83 350.68,84.79 ; v2(260.51,96.23) 260.34,96.4 259.69,96.4 ; v2(260.51,96.23) 261.19,95.55 262.04,95.55 262.74,96.25 v4(262.74,96.45) ; 313.96,83.63 313.96,84.6 v2(313.41,85.15) 310.4,85.15 308.88,83.63 311.42,83.63 ; U302.4 184.7,40.98 186.28,39.4 187.19,39.4 188.09,38.5 190.51,38.5 ; v3(246.14,38.15) 244.76,38.15 C211.1 ; 232.94,96.38 232.94,95.97 v2(232.74,95.78) ; 312.69,78.68 313.06,78.3 313.06,77.68 313.09,77.68 v4(313.34,77.43) 313.96,78.05 313.96,78.68 ; 208.69,98.18 208.42,97.91 208.42,87.67 219.58,76.5 v4(219.66,76.5) ; v4(274.04,57.28) 276.86,57.28 278.46,58.88 v4(278.46,60.98) 277.74,61.7 277.25,61.7 276.73,61.18 276,61.18 ; 283.44,98.18 283.62,97.99 283.62,96.18 ; v3(249.4,53.53) 249.4,52.42 C402.2 249.96,52.9 U406.16 ; 242.68,76.11 242.68,86.5 v4(251.96,95.78) 251.06,94.88 233.62,94.88 232.74,95.75 v2(232.74,95.78) ; v4(282.46,62.93) 282.46,60.92 268.59,47.05 268.59,46.3 272.31,42.58 v4(273.57,42.58) ; C401.2 243.75,47.63 245.08,46.3 245.08,44.43 244.88,44.23 242.21,44.23 ; v4(180.01,76.48) 179.84,76.48 179.17,77.15